# KiCad board atari.kicad_pcb (continued)
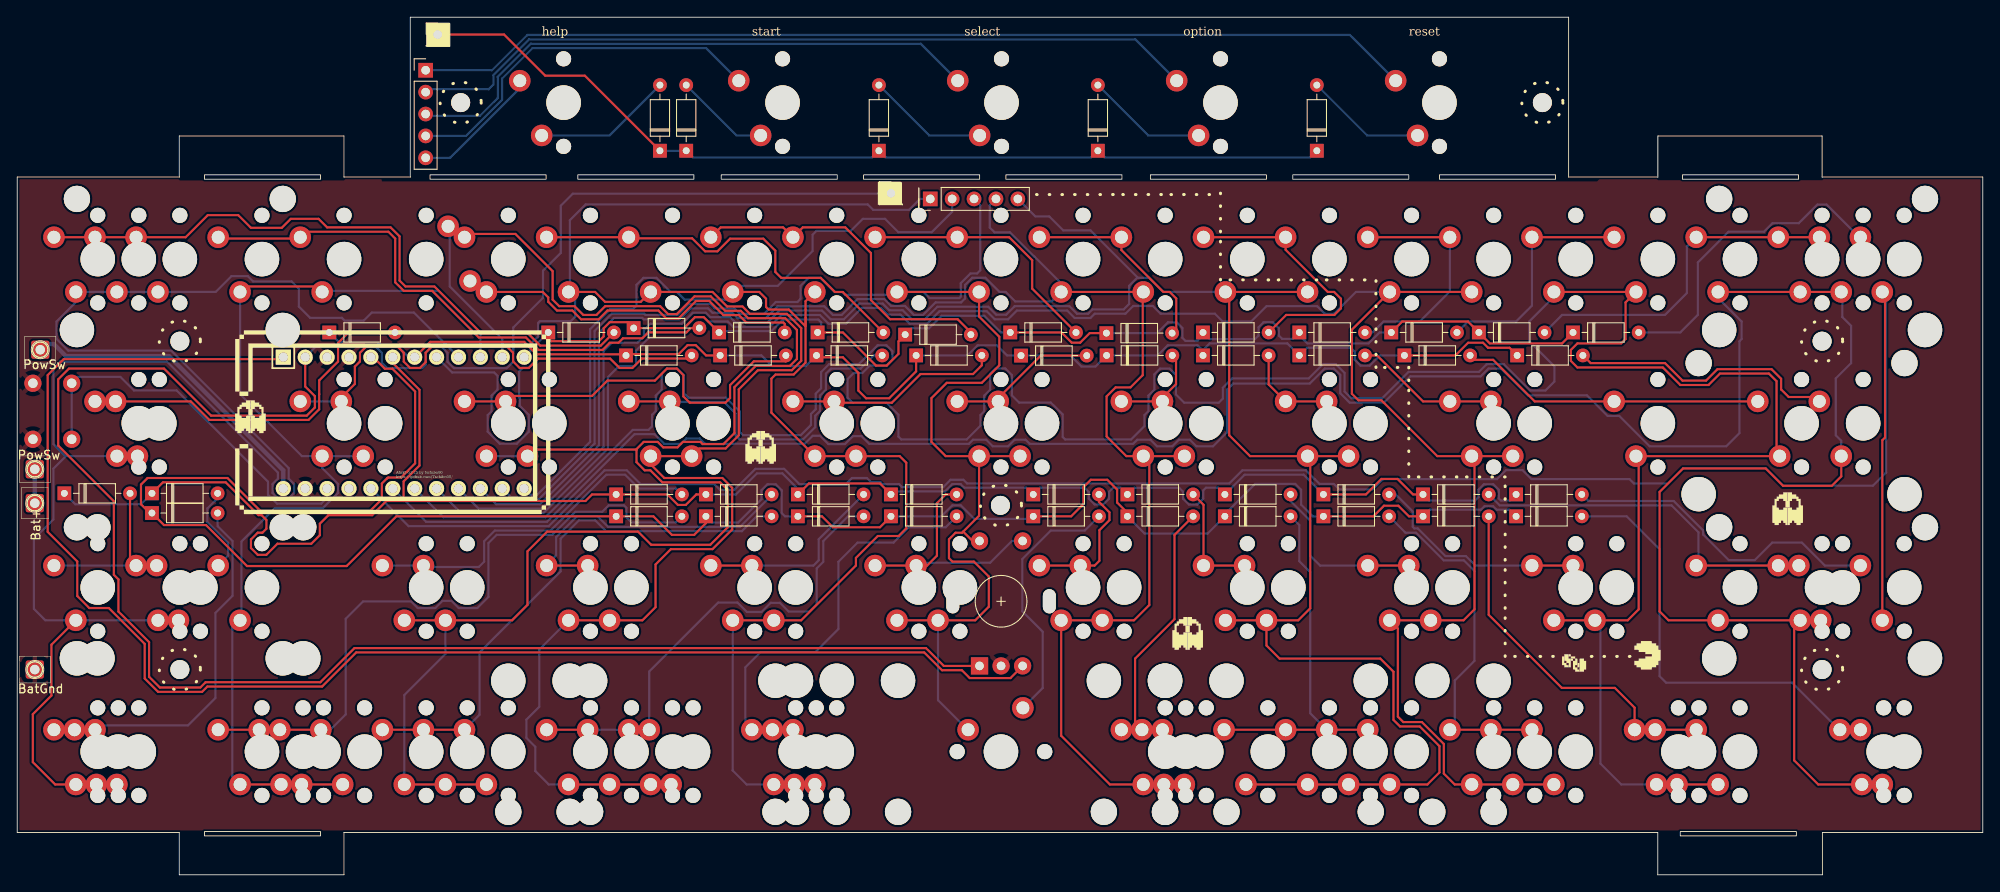
[diagram p0: board, top side]
## Routing (per net, layer and track width the routed paths; a pad name or vN(x,y) marks a point on that pad's centre or on a via; arc(x,y) is an arc through that point)
gnd: length 0.4
  Bottom w0.25: Reset.1 2.24,50.53
BT+: length 3.9
  Bottom w0.5: PowSw#2.1 Bat+.1
c1: length 216.9
  Top w0.25: 16.64,29.21 S3_1a1.1 S3_1b1.1 ; S4_1c1.1 S4_1a1.1 S4_1.1 4.4,10.48 1.81,13.07 1.81,18.63 3.97,20.79 3.97,26.7 S3_1.1 ; S2_1.1 S2_1b1.1 ; 16.39,67.56 S1_1a1.1 ; 6.86,67.56 S1_1.1
  Bottom w0.25: 5.64,48.58 4.19,47.13 4.19,41.24 1.93,38.98 1.93,30.85 3.25,29.53 S3_1.1 S3_1a1.1 ; 5.64,48.58 5.59,48.58 4.19,49.97 4.19,58.76 4.98,59.55 17.35,59.55 30.24,46.66 30.24,45.96 29.61,45.34 29.61,44.3 30.35,43.57 31.38,43.57 32.12,44.3 32.12,45.34 31.49,45.96 31.49,47.19 17.86,60.82 5.92,60.82 4.55,62.19 4.55,64.19 6.8,66.44 S1_1.1 S1_1b1.1 S1_1a1.1 23.02,67.63 24.84,69.46 26.75,69.46 27.36,68.85 31.83,68.85 32.67,68.01 32.67,65.93 33.96,64.63 37.65,64.63 37.98,64.3 40.19,64.3 41.13,65.24 46,65.24 U1.9 51.12,60.06 ; 5.64,48.58 S2_1.1
c2: length 122.1
  Top w0.25: S1_2.1 26.48,68.26 34.74,68.26 S1_2b1.1 ; S4_2.1 S4_2a1.1 S4_2b1.1 S4_2c1.1
  Bottom w0.25: 40.14,48.58 S2_2.1 ; S2_2.1 35.37,47.19 37.21,45.35 37.21,44.31 35.46,42.56 29.9,42.56 26.01,38.67 26.01,29.69 S3_2.1 24.95,28.63 24.95,11.38 S4_2.1 ; S2_2.1 33.02,48.58 25.85,55.75 S1_2.1 ; S1_2b1.1 35.44,67.56 35.44,67.69 35.5,67.75 48.9,67.75 53.72,62.93 U1.10
c3: length 211.1
  Top w0.25: S2_3b1.1 59.95,49.34 71.78,49.34 ; S4_3.1 S4_3a1.1 S4_3b1.1 ; 71.78,49.34 72.67,50.23 74.3,50.23 74.93,49.59 76.58,49.59 77.22,50.23 79.25,50.23 79.5,49.97 81.92,49.97 83.19,51.24 83.19,56.58 85.66,59.05 89.64,59.05 90.44,59.86 90.44,63.22 89.08,64.58 84.79,64.58 83.92,65.44 82.12,65.44 80.45,67.11 78.56,67.11 76.51,65.06 75.49,65.06 74.58,65.98 68.2,65.98 67.19,64.96 65.66,64.96 64.65,65.98 62.87,65.98 62.11,66.74 62.11,70.04 57.79,74.36 52.26,74.36 S1_3b1.2 50.61,75.25 S1_3.1 ; 71.78,49.34 71.83,49.29 71.83,47.88 72.78,46.93 73.44,46.93 74.84,45.53 81.53,45.53 82.43,44.64 82.43,40.32 80.39,38.29 73.54,38.29 72.01,39.81 61.47,39.81 59.19,37.53 59.19,31.31 57.41,29.53 S3_3b1.1 S3_3.1
  Bottom w0.25: U1.11 56.26,62.17 50.17,68.26 50.17,75.06 S1_3.1 ; S2_3.1 S2_3b1.1 ; S4_3.1 44.9,20.85 49.66,25.62 S3_3b1.1
c4: length 202.7
  Top w0.25: S4_4c1.1 S4_4d1.1 S4_4a1.1 S4_4.1 ; S3_4.1 S3_4b1.1 72.52,29.53 74.04,31.05 74.04,36 75.82,37.78 80.65,37.78 82.93,40.07 82.93,44.89 81.79,46.04 75.06,46.04 73.47,47.62 S2_4.1 S2_4b1.1 79.12,49.47 82.17,49.47 83.7,50.99 83.7,56.32 85.91,58.54 89.85,58.54 90.94,59.64 90.94,63.43 89.28,65.09 84.98,65.09 84.13,65.94 82.34,65.94 80.66,67.63 S1_4b1.1 72.32,66.48 68.18,66.48 67.03,67.63 S1_4.1
  Bottom w0.25: U1.12 59.55,60.8 59.55,61.59 60.42,62.46 60.42,64.04 60.62,64.23 64.2,64.23 64.73,64.76 64.73,66.84 S1_4.1 64.1,67.78 64.1,75.94 65.94,77.79 98.66,77.79 99.29,77.15 103.45,77.15 104.72,78.42 J1.1 105.28,77.79 ; S4_4.1 61.65,10.48 60.1,12.03 60.1,14.85 59.06,15.89 59.06,18 60.56,19.49 60.56,26.14 S3_4.1
c5: length 187.5
  Top w0.25: 92.97,48.13 S2_5.1 ; S2_5.1 S2_5b1.1 102.36,48.58 103.13,47.82 103.13,40.2 102.24,39.31 99.83,39.31 97.28,36.77 97.28,35.88 90.94,29.53 S3_5b1.1 S3_5.1 82.93,29.46 ; S2_5.1 87.48,53.62 87.48,57.56 87.96,58.04 90.06,58.04 91.44,59.43 91.44,66.55 S1_5b1.1 ; S4_5.1 S4_5a1.1 S4_5b1.1 ; 91.44,64.66 91.44,63.64 89.5,65.59 87.16,65.59 86.86,65.89 86.86,66.84 86.08,67.63 S1_5.1 83.57,67.06
  Bottom w0.25: U1.13 59.55,44.07 60.29,44.07 66.46,50.24 66.46,63.31 68.78,65.63 71.42,65.63 71.83,66.04 71.83,68.45 72.64,69.26 74.15,69.26 75.78,67.63 76.53,67.63 77.42,66.73 82.1,66.73 S1_5.1 83.7,68.33 88.22,68.33 92.26,72.37 92.26,74.27 92.7,74.71 96.69,74.71 98.09,76.11 100.66,76.11 102.21,74.56 106.08,74.56 108.45,76.93 J1.2 ; S4_5.1 84.61,10.48 82.98,12.1 83,12.12 S3_5.1
c6: length 184.8
  Top w0.25: 109.73,39.81 109.6,39.69 108.84,39.69 108.08,38.93 108.08,36.74 108.49,36.33 110.98,36.33 112.7,34.61 112.7,31.1 111.13,29.53 S3_6b1.1 S3_6.1 ; 109.73,39.81 111.57,41.66 S2_6.1 ; 109.73,39.81 110.81,38.73 SW1.S2 ; S2_6.1 S2_6b1.1 ; S2_6.1 112.02,48.13 ; S2_6.1 107.7,48.58 106.05,50.23 106.05,55.31 107.83,57.09 111.89,57.09 113.92,59.12 113.92,62.42 111.57,64.77 S1_6b1.1 S1_6.1 102.62,67.06
  Bottom w0.25: S3_6b1.1 106.81,20.26 110.24,16.83 S4_6.1 ; U1.14 57.52,43.57 60.5,43.57 66.97,50.04 66.97,63.1 68.98,65.11 72.72,65.11 72.87,64.96 76.58,64.96 77.85,66.23 80.39,66.23 80.9,65.72 83.19,65.72 83.83,65.08 86.61,65.08 87.99,66.46 90.5,66.46 90.86,66.82 90.86,68.33 91.79,69.26 93.21,69.26 94.84,67.63 95.69,67.63 96.01,67.3 101.72,67.3 S1_6.1 105.12,67.63 105.83,66.91 109.28,66.91 109.45,67.08 109.45,68.65 110.57,69.77 111.34,69.77 111.71,70.14 111.71,77.7 J1.3
c7: length 206.8
  Top w0.25: S2_7.1 131.32,47.88 131.32,31.31 129.54,29.53 S3_7b1.1 S3_7.1 121.1,16.13 126.75,10.48 S4_7b1.1 S4_7a1.1 135.38,10.48 ; S2_7.1 128.65,48.58 126.37,50.86 126.37,55.51 127.41,56.55 129.14,56.55 130.56,57.98 130.56,67.56 S1_7b1.1 S1_7.1 121.41,67.31 ; S2_7.1 135.38,48.58
  Bottom w0.25: U1.15 55.55,42.99 60.63,42.99 67.48,49.84 67.48,62.88 69.21,64.61 72.5,64.61 72.66,64.45 76.84,64.45 78.11,65.72 80.14,65.72 80.65,65.21 82.93,65.21 83.57,64.58 86.82,64.58 88.2,65.96 93.62,65.96 94.62,64.96 95.63,64.96 97.47,66.8 100.58,66.8 101.37,66 102.97,66 104.02,64.96 105.07,64.96 106.52,66.41 109.49,66.41 109.95,66.87 109.95,68.44 110.78,69.27 112.3,69.27 113.94,67.63 114.66,67.63 115.76,66.53 120,66.53 S1_7.1 121.1,68.62 118,71.72 117.97,71.72 115.15,74.54 113.37,74.54 112.81,75.1 112.81,77.7 J1.4 114.14,78.42
c8: length 259.2
  Top w0.25: S4_8.1 159.36,10.64 ; S4_8.1 S4_8a1.1 S4_8b1.1 S4_8c1.1 ; S4_8.1 163.58,10.48 164.98,11.87 164.98,14.92 162.69,17.21 160.4,17.21 159.64,17.97 159.64,23.56 158.12,25.08 146.43,25.08 144.91,26.61 S3_8b1.1 ; S3_8b1.1 148.59,29.53 149.99,30.92 149.99,48.26 S2_8.1 ; S3_8b1.1 S3_8.1 ; S1_8b1.1 S1_8.1 140.59,67.18 140.59,50.99 143,48.58 S2_8.1 ; S2_8.1 S2_8b1.1
  Bottom w0.25: 130,69.27 124.5,74.77 121.33,74.77 119.71,76.39 118.1,76.39 J1.5 ; 130,69.27 131.31,69.27 132.96,67.63 S1_8.1 ; 130,69.27 129.91,69.27 128.98,68.34 128.98,66.23 128.35,65.6 124.72,65.6 124.22,65.1 122.92,65.1 122.05,65.98 115.7,65.98 114.72,64.99 113.56,64.99 112.64,65.91 106.75,65.91 105.29,64.45 103.76,64.45 102.71,65.5 101.17,65.5 100.39,66.28 97.72,66.28 95.89,64.45 94.36,64.45 93.35,65.46 88.41,65.46 87.03,64.08 83.3,64.08 82.68,64.71 80.39,64.71 79.89,65.21 78.36,65.21 77.09,63.94 73.45,63.94 72.7,63.19 72.7,62.48 71.95,61.73 68.97,61.73 68.01,60.77 68.01,49.66 60.84,42.49 53.51,42.49 U1.16
c9: length 244.1
  Top w0.25: S1_9.1 S1_9b1.1 ; S1_9.1 159.51,67.31 ; S1_9.1 154.82,63.25 154.82,55.82 155.58,55.05 158.25,55.05 164.72,48.58 S2_9.1 ; S2_9.1 S2_9b1.1 ; S2_9.1 169.04,48.26 169.04,30.8 167.77,29.53 S3_9b1.1 S3_9.1 160.15,28.58 160.15,18.35 160.78,17.72 162.94,17.72 165.48,15.18 165.48,11.74 166.75,10.48 S4_9b1.1 S4_9a1.1 S4_9.1
  Bottom w0.25: S1_9.1 155.28,67.63 152.75,65.09 151.68,65.09 150.8,65.98 144.91,65.98 143.13,64.2 139.83,64.2 138.93,65.1 132.63,65.1 131.73,66 129.46,66 128.56,65.1 124.99,65.1 124.49,64.6 122.66,64.6 121.8,65.47 115.95,65.47 114.94,64.45 113.39,64.45 112.46,65.39 106.98,65.39 105.54,63.94 103.51,63.94 102.45,65 100.96,65 100.19,65.77 97.97,65.77 96.14,63.94 94.11,63.94 93.1,64.95 88.64,64.95 87.27,63.58 83.04,63.58 82.43,64.2 80.14,64.2 79.63,64.71 78.62,64.71 77.35,63.44 73.65,63.44 73.27,63.06 73.27,62.32 71.79,60.83 71.79,59.22 71.6,59.03 69.81,59.03 68.52,57.74 68.52,49.45 61.06,41.99 51.47,41.99 U1.17
C10: length 353.9
  Top w0.25: S4_10.1 S4_10a1.1 S4_10b1.1 ; S3_10.1 S3_10b1.1 186.82,29.53 188.09,30.8 188.09,48.26 S2_10.1 S2_10b1.1 204.08,48.94 204.08,57.27 203.19,58.16 197.52,58.16 196.19,56.83 192.92,56.83 190.88,58.86 180.98,58.86 180.22,59.63 180.22,60.9 180.98,61.66 186.06,61.66 186.57,62.17 186.57,66.42 S1_10b1.1 S1_10.1 178.69,67.18
  Bottom w0.25: U1.18 49.43,41.49 61.27,41.49 71.4,51.62 73.23,51.62 73.64,52.03 73.64,53.37 74.07,53.8 74.07,55.6 74.76,56.29 74.76,58.11 75.37,58.72 76.56,58.72 77.34,57.94 77.34,55.87 77.85,55.36 82.2,55.36 83.83,53.73 83.83,51.36 84.18,51.01 90.89,51.01 92.07,52.19 92.07,53.47 92.62,54.02 92.62,55.83 93.25,56.45 93.25,58.33 94.16,59.24 97.61,59.24 99.81,61.44 100.83,61.44 101.52,60.75 101.52,59.77 100.83,59.08 98.89,59.08 98.03,58.22 97.03,58.22 96.32,57.51 96.32,55.35 96.91,54.76 100.84,54.76 102.22,53.38 102.22,50.84 102.55,50.51 110.14,50.51 111.74,52.11 111.74,53.35 112.17,53.78 112.17,55.6 112.86,56.29 112.86,58.14 113.47,58.75 114.61,58.75 115.38,57.98 115.38,55.62 116.21,54.79 119.89,54.79 121.27,53.41 121.27,50.8 121.56,50.51 129.21,50.51 130.76,52.06 130.76,53.34 131.22,53.8 131.22,55.6 131.91,56.29 131.91,58.07 132.57,58.73 133.68,58.73 134.41,58 134.41,55.73 135.37,54.77 139.37,54.77 139.85,55.25 139.85,56.51 140.93,57.59 149.81,57.59 151.48,59.26 152.94,59.26 153.97,58.23 153.97,56.08 154.76,55.29 158.33,55.29 161.39,58.36 169.56,58.36 170.45,59.24 172.45,59.24 175.5,56.19 177.27,56.19 178.31,57.23 178.31,58.99 175.39,61.91 175.39,64.2 178.25,67.06 S1_10.1 ; S3_10b1.1 183.65,28.89 183.65,12.89 186.06,10.48 S4_10b1.1
c11: length 321.4
  Top w0.25: S1_11b1.1 S1_11a1.1 S1_11.1 ; S3_11a1.1 206.12,28.83 206.12,13.27 208.92,10.48 S4_11a1.1 S4_11.1 ; S3_11a1.1 S3_11.1 191.54,29.53 190.51,30.56 190.51,44.42 193.23,47.14 202.82,47.14 204.83,45.13 210.49,45.13 211.59,46.23 S2_11.1 ; S3_11a1.1 S3_11b1.1
  Bottom w0.25: U1.19 47.42,40.96 61.45,40.96 71.61,51.12 73.92,51.12 75.04,50 76.99,50 77.62,50.63 79.15,50.63 79.77,50.01 91.35,50.01 92.28,50.94 93.12,50.94 94.08,49.97 96.02,49.97 96.93,50.89 97.95,50.89 98.83,50 110.39,50 110.87,50.48 112.4,50.48 113.16,49.72 114.94,49.72 115.7,50.48 116.97,50.48 117.45,50 129.44,50 129.92,50.48 131.45,50.48 132.21,49.72 133.99,49.72 134.75,50.48 136.02,50.48 136.78,49.72 138.71,49.72 140.35,51.36 140.35,56.29 141.06,57 149.93,57 151.67,58.74 152.73,58.74 153.47,58 153.47,55.87 154.56,54.78 158.54,54.78 161.59,57.83 169.76,57.83 170.67,58.74 172.12,58.74 175.23,55.63 182.09,55.63 184.48,53.24 185.84,53.24 189.36,49.72 198.25,49.72 199.77,51.24 199.77,61.91 200.03,62.17 200.03,64.2 197.3,66.93 S1_11.1 ; S1_11b1.1 211.71,67.5 211.71,64.71 212.73,63.69 212.73,59.37 210.95,57.59 210.95,50.99 211.59,50.36 S2_11.1
c12: length 249
  Top w0.25: S1_12.1 216.66,67.31 216.66,50.74 216.35,50.42 S3_12.1
  Bottom w0.25: S1_12.1 216.79,67.18 216.79,46.67 215.27,45.15 204.85,45.15 202.82,47.18 193.27,47.18 191.49,45.4 187.53,45.4 187.02,45.91 175.65,45.91 174.61,46.95 172.7,46.95 171.66,45.91 158.43,45.91 157.24,44.72 153.35,44.72 152.72,45.35 151.11,45.35 151.09,45.33 150.51,45.91 150.5,45.91 149.48,46.93 142.12,46.93 140.6,45.41 110.18,45.41 109.76,45.83 108.26,45.83 107.42,44.99 102.63,44.99 102.3,45.33 100.36,45.33 100.13,45.55 99.04,45.55 98.56,46.04 96.83,46.04 96.12,45.33 90.73,45.33 88.95,47.1 85.63,47.1 83.17,44.65 81.53,44.65 80.86,45.33 72.32,45.33 70.72,46.93 68.13,46.93 61.65,40.45 45.39,40.45 U1.20
r1: length 176.4
  Top w0.25: D1_12.1 179.2,61.66 170.82,61.66 D1_11.1 168.28,64.2 160.66,64.2 D1_10.1 ; 126.37,62.93 126.29,62.85 124.41,62.85 123.3,61.74 122.32,61.74 121.13,62.93 D1_6.1 ; D1_3.1 79.63,64.71 78.62,64.71 77.35,63.44 D1_2.1 70.82,64.12 68.74,64.12 68.02,63.41 68.02,62.47 67.47,61.91 61.95,61.91 61.6,62.27 D1_1.1 ; D1_4.1 95.77,62.93 99.62,59.08 100.86,59.08 102.22,60.44 102.22,61.89 D1_5.1 102.54,62.67
  Bottom w0.25: 126.37,62.93 126.44,62.85 132.23,62.85 133.48,64.1 134.5,64.1 135.16,63.44 135.16,62.3 135.52,61.94 136.89,61.94 137.54,62.6 D1_8.1 138.31,62.16 143.59,62.16 143.99,62.56 143.99,63.53 144.57,64.11 145.65,64.11 146.35,63.41 146.35,62.56 146.73,62.18 147.97,62.18 D1_9.1 148.72,62.59 149.65,61.66 156.76,61.66 158.03,62.93 D1_10.1 ; D1_5.1 103.74,63.41 105.77,63.41 107.22,64.86 112.18,64.86 114.11,62.93 D1_6.1 ; D1_1.1 60.07,61.4 60.07,59.56 59.32,58.81 58.63,58.81 58.21,58.39 58.21,55.39 58.3,55.31 58.3,54.41 59.34,53.37 59.34,51.4 57.95,50.01 55.98,50.01 54.57,51.42 54.57,53.34 55.02,53.79 55.02,55.6 55.71,56.29 55.71,57.9 55.33,58.28 50.44,58.28 48.67,60.06 U1.8 48.64,60 ; D1_3.1 81.56,63.08 87.48,63.08 88.82,64.42 92.92,64.42 93.26,64.09 93.26,63.35 D1_4.1
r2: length 157.2
  Top w0.25: D2_10.1 166.83,60.26 168.3,61.73 170.03,61.73 170.61,61.15 173.1,61.15 D2_11.1 ; U1.7 46.13,60.06 47.91,61.84 58.8,61.84 60.25,60.39 70.49,60.39 D2_2.1 70.76,60.4 76.71,60.4 77.76,61.45 78.71,61.45 79.9,60.26 D2_3.1 ; D2_4.1 92.93,60.04 95.77,60.04 97.57,58.24 97.57,56.18 98.46,55.29 101.15,55.29 104.27,58.41 D2_5.1
  Bottom w0.25: U1.7 45.39,60.06 44.12,61.33 42.26,61.33 41.76,61.83 37.29,61.83 D2_1.1 ; D2_4.1 91.47,59.02 87.57,59.02 86.33,60.26 D2_3.1 ; D2_10.1 158.07,60.26 156.88,59.07 155.83,59.07 155.16,59.74 155.16,60.7 154.71,61.15 149.61,61.15 D2_9.1 147.32,61.66 138.33,61.66 137.54,60.88 D2_8.1 137.54,60.82 136.92,61.44 133.46,61.44 132.28,60.26 D2_7.1 125.08,58.97 123.45,58.97 122.16,60.26 114.81,60.26 113.63,61.44 111.4,61.44 110.22,60.26 D2_5.1
r3: length 219.2
  Top w0.25: U1.6 43.56,59.37 46.66,56.27 46.66,47.49 44.82,45.64 44.82,43.37 ; D3_2.1 16.9,45.54 24.18,45.54 27.98,41.73 28.34,41.73 28.9,41.17 28.9,40.15 28.44,39.69 27.89,39.69 27.11,38.91 27.11,37.91 27.9,37.12 28.89,37.12 30.18,38.41 34.11,38.41 35.1,39.4 35.1,40.73 36.09,41.72 41.17,41.72 42.82,43.37 65.92,43.37 66.68,44.13 D3_3.1 75.42,44.13 76.63,42.91 77.55,42.91 78.77,44.13 D3_4.1 ; D3_10.1 156.45,44.13 158.25,45.93 160.11,45.93 161.91,44.13 D3_11.1 ; D3_5.1 91.82,45.4 100.08,45.4 D3_6.1
  Bottom w0.25: D3_6.1 101.7,44.49 107.62,44.49 108.47,45.33 109.43,45.33 109.85,44.91 117.08,44.91 D3_7.1 118.64,44.91 123.8,44.91 124.3,44.41 124.3,43.65 124.99,42.96 125.97,42.96 126.65,43.65 126.65,44.45 127.12,44.91 128,44.91 D3_8.1 129.55,44.9 134.78,44.9 135.23,44.46 135.23,43.65 135.92,42.95 136.88,42.95 137.58,43.65 137.58,44.6 137.89,44.91 139.3,44.91 D3_9.1 142.37,46.42 149.22,46.42 D3_10.1 ; D3_5.1 90.55,44.77 88.75,46.57 85.8,46.57 83.37,44.13 D3_4.1 ; D3_2.1 14.35,42.99 6.73,42.99 D3_1.1 ; D3_11.1 163.78,43.42 169.11,43.42 169.51,43.82 169.51,44.69 170.13,45.31 171.22,45.31 171.87,44.67 171.87,43.66 172.11,43.42 173.16,43.42 D3_12.1
r4: length 243.5
  Top w0.25: D4_3.1 79.89,40.8 78.53,39.44 75.94,39.44 73.79,41.59 D4_2.1 43.98,41.59 38.21,35.82 26.65,35.82 21.9,40.58 17.02,40.58 D4_1.1 15.37,41.97 14.35,42.99 14.35,45.28 15.12,46.04 24.39,46.04 28.19,42.23 40.95,42.23 42.29,43.58 42.29,45.4 42.91,46.01 42.94,46.01 43.02,46.09 44.51,46.09 46.15,47.74 46.15,56.07 43.51,58.72 42.64,58.72 41.3,60.06 U1.5 ; D4_9.1 157.31,41.59 158.54,42.82 160.21,42.82 161.44,41.59 D4_10.1 ; D4_4.1 93.35,41.59 94.62,40.32 100.08,40.32 D4_5.1 ; D4_7.1 128.78,42 127.59,43.19 127.59,44.69 126.44,45.83 124.54,45.83 123.68,44.97 123.68,43.01 122.25,41.59 D4_6.1
  Bottom w0.25: D4_4.1 89.06,41.59 88.68,41.97 88.68,44.62 87.99,45.31 87.02,45.31 86.33,44.62 86.33,43.57 83.63,40.87 80.61,40.87 D4_3.1 ; D4_6.1 117.55,41.29 111.02,41.29 109.45,42.86 108.47,42.86 107.2,41.59 D4_5.1 ; D4_7.1 130.78,39.59 138.08,39.59 D4_8.1 140.08,41.85 143.59,45.35 148.25,45.35 148.93,44.67 148.93,42.94 150.28,41.59 D4_9.1 ; D4_10.1 163.84,42.36 169.8,42.36 170.2,42.77 171.19,42.77 171.61,42.35 173.1,42.35 D4_11.1
r5: length 267.2
  Top w0.25: U1.2 33.4,56.65 34.52,55.54 34.52,54.22 33.58,53.28 22.48,53.28 17.02,58.74 6,58.74 4.75,57.49 4.75,49.8 11.2,43.35 11.2,34.81 11.74,34.28 11.74,30.54 15.29,26.99 15.29,22.97 16.54,21.73 21.24,21.73 21.85,22.34 35.16,22.34 39.12,26.3 105.41,26.3 107.48,24.23 SW1.A
  Bottom w0.25: U1.2 34.66,61.31 41.57,61.31 41.67,61.21 41.67,61.2 42.3,60.57 42.3,59.42 42.93,58.79 46.98,58.79 47.37,59.18 47.37,60.6 48.08,61.31 49.16,61.31 49.91,60.57 49.91,59.52 50.65,58.78 56.78,58.78 57.54,59.54 57.54,63.5 60.99,66.95 60.99,70.09 63.05,72.15 63.05,77.63 64.45,79.03 101.3,79.03 J2.1
r6: length 175.6
  Top w0.25: U1.1 30.64,59.83 5.39,59.83 3.53,57.98 3.53,39.79 6.96,36.36 6.96,32.35 8.36,30.95 10.62,30.95 14.79,26.79 14.79,22.78 16.34,21.22 21.44,21.22 22.05,21.84 35.36,21.84 39.33,25.8 105.21,25.8 107.27,23.73 109.58,23.73 110.49,22.82 115.21,22.82 SW1.B
raw: length 36.6
  Bottom w0.5: PowSw.1 3.33,61.58 4.24,61.58 5.64,60.19 17.61,60.19 30.86,46.93 U1.24
reset: length 44.9
  Bottom w0.25: 35.94,44.95 U1.22 35.94,43.75 35.26,43.07 30.13,43.07 29.09,44.11 29.09,45.61 18.49,56.2 13.54,56.2 11.97,57.77 7.05,57.77 Reset.2 Reset.2
s36_1: length 30
  Top w0.25: 99.51,35.88 105.54,35.88 106.68,37.02 106.68,43.12 107.7,44.13 D3_6.2
  Bottom w0.25: 104.27,35.88 104.6,36.21 112.86,36.21 115.38,38.73 SW1.S1
Net-(D1_1-A): length 76.8
  Top w0.25: D1_1.2 67.69,61.4 60.66,61.4 59.21,62.85 53.8,62.85 48.39,68.26 45.04,68.26 44.35,68.95 44.35,74.08 43.31,75.12 35.94,75.12 34.95,76.11 31.73,76.11 30.69,75.07 27.1,75.07 25.63,76.54 22.1,76.54 19.54,73.98 S1_1a1.2 S1_1b1.2 S1_1.2
Net-(D1_2-A): length 66.1
  Top w0.25: S1_2b1.2 32.68,73.83 23.46,73.83 S1_2.2 ; S1_2b1.2 32.83,74.17 ; S1_2b1.2 33.47,74.61 43.06,74.61 43.84,73.83 43.84,68.75 44.83,67.75 48.14,67.75 53.55,62.34 59.01,62.34 60.45,60.9 67.9,60.9 68.74,61.73 69.75,61.73 70.27,62.25 72.51,62.25 73.19,62.94 77.62,62.94 78.12,63.44 D1_2.2
Net-(D1_3-A): length 42.4
  Top w0.25: D1_3.2 89.03,63.92 88.87,64.08 84.58,64.08 83.72,64.94 81.92,64.94 80.27,66.58 78.74,66.58 76.71,64.55 75.29,64.55 74.37,65.47 68.46,65.47 67.44,64.45 65.41,64.45 64.39,65.47 62.61,65.47 61.6,66.48 61.6,66.99 60.96,67.63 S1_3b1.1 53.15,68.9 S1_3.2
Net-(D1_4-A): length 46.3
  Top w0.25: D1_4.2 100.46,62.93 95.77,67.62 94.84,67.62 93.2,69.26 88.62,69.26 87.94,69.94 87.94,72.41 86.54,73.81 82.69,73.81 81.22,72.34 79.79,72.34 78.29,73.85 71.06,73.85 S1_4b1.2 S1_4.2
Net-(D1_5-A): length 40.1
  Top w0.25: D1_5.2 110.62,62.93 109.09,64.46 101.25,64.46 99.03,66.68 99.03,72.14 96.05,75.12 91.13,75.12 S1_5b1.2 88.84,75.12 81.6,75.12 S1_5.2
Net-(D1_6-A): length 29.8
  Top w0.25: D1_6.2 117.73,68.01 117.73,71.31 115.06,73.98 S1_6b1.2 S1_6.2
Net-(D1_7-A): length 23.9
  Top w0.25: 133.99,62.93 134.04,62.93 134.45,63.33 134.45,66.87 133.68,67.63 132.95,67.63 128.08,72.49 S1_7b1.2 S1_7.2
Net-(D1_8-A): length 30.4
  Top w0.25: D1_8.2 147.2,64.96 152.78,64.96 153.55,65.72 153.55,66.84 152.76,67.63 152.03,67.63 147.13,72.52 S1_8b1.2 S1_8.2
Net-(D1_9-A): length 27.6
  Top w0.25: S1_9.2 S1_9b1.2
  Bottom w0.25: D1_9.2 157.23,62.93 158.5,64.2 162.69,64.2 166.18,67.69 S1_9b1.2
Net-(D1_10-A): length 27.5
  Top w0.25: S1_10.2 S1_10b1.2
  Bottom w0.25: D1_10.2 168.28,64.2 173.87,64.2 175.71,66.04 S1_10.2
Net-(D1_11-A): length 39.6
  Top w0.25: S1_11.2 S1_11a1.2 S1_11b1.2
  Bottom w0.25: S1_11.2 193.68,72.9 193.68,67.5 191.14,64.96 179.2,64.96 D1_11.2
Net-(D1_12-A): length 37
  Bottom w0.25: S1_12.2 213.67,73.98 209.88,77.77 208.82,77.77 206.66,75.6 203.61,75.6 202.62,74.61 198.5,74.61 194.95,71.06 194.95,64.96 192.92,62.93 D1_12.2
Net-(D2_1-A): length 43.1
  Top w0.25: D2_1.2 38.43,62.93 37.21,61.71 37.21,59.55 35.03,57.37 35.03,55.76 35.02,55.75 35.02,54.01 33.79,52.78 22.27,52.78 20.12,54.93 S2_1b1.2 S2_1.2
Net-(D2_2-A): length 56.6
  Top w0.25: D2_2.2 77.88,59.9 72.45,59.9 71.35,58.81 69.87,58.81 68.78,59.89 60.41,59.89 59.33,58.81 58.28,58.81 57.52,59.57 57.52,60.58 56.76,61.33 48.14,61.33 47.37,60.57 47.37,59.47 46.71,58.81 45.57,58.81 44.83,59.54 44.83,60.57 44.07,61.33 40.52,61.33 39.75,60.57 39.75,59.56 39.16,58.97 39.16,56.95 37.59,55.38 S2_2b1.2
  Bottom w0.25: S2_2.2 S2_2b1.2
Net-(D2_3-A): length 45.5
  Top w0.25: S2_3.2 S2_3b1.2 57.28,55.56 66.68,55.56 68.46,57.34 73.97,57.34 75.36,58.74 76.52,58.74 77.27,57.98 77.27,55.51 78.01,54.78 82.15,54.78 82.69,55.32 82.69,56.82 85.44,59.58 89.16,59.58 89.16,60.26
Net-(D2_4-A): length 39.7
  Top w0.25: S2_4.2 S2_4b1.2
  Bottom w0.25: S2_4b1.2 75.76,54.86 81.99,54.86 83.33,53.52 83.33,50.99 83.81,50.51 91.14,50.51 92.57,51.94 92.57,53.25 93.12,53.8 93.12,55.6 93.81,56.29 93.81,58.15 94.39,58.74 97.83,58.74 99.36,60.26 D2_4.2
Net-(D2_5-A): length 24.9
  Top w0.25: S2_5.2 S2_5b1.2 94.9,54.77 101.45,54.77 104.78,58.1 110.87,58.1 111.89,59.12 D2_5.2
Net-(D2_6-A): length 17.5
  Top w0.25: S2_6.2 S2_6b1.2 113.79,55.31 118.73,60.24 D2_6.2 124.04,60.26
Net-(D2_7-A): length 10.9
  Top w0.25: S2_7.2 S2_7b1.2 132.84,55.36 134.42,56.93 134.42,59.83 D2_7.2
Net-(D2_8-A): length 10.9
  Top w0.25: D2_8.2 145.16,56.9 S2_8.2 151.9,54.93
Net-(D2_9-A): length 17.4
  Top w0.25: S2_9b1.2 S2_9.2 163.07,54.93 157.74,60.26 D2_9.2
  Bottom w0.25: 156.34,59.63 D2_9.2
Net-(D2_10-A): length 36.5
  Top w0.25: D2_10.2 169.04,59.75 171.2,59.75 176.03,54.93 S2_10.2 S2_10b1.2
  Bottom w0.25: S2_10.2 184.6,55.56
Net-(D2_11-A): length 31.5
  Top w0.25: S2_11.2 208.54,55.44 205.49,55.44 204.61,56.31 204.61,57.55 203.5,58.66 197.22,58.66 195.9,57.34 193.17,57.34 191.14,59.37 182.52,59.37 181.63,60.26 D2_11.2
Net-(D3_1-A): length 20.6
  Top w0.25: 16.16,35.88 13.78,35.88 13.08,36.58 D3_1.2
  Bottom w0.25: 13.78,35.88 4.26,35.88
Net-(D3_2-A): length 10.4
  Bottom w0.25: D3_2.2 23.24,43.7 22.05,42.51 22.05,40.93 24.46,38.52 24.46,37.03 23.31,35.88
Net-(D3_3-A): length 41.6
  Bottom w0.25: 42.36,35.88 47.12,35.88 47.28,35.71 53.54,35.71 54.16,36.33 54.16,38.7 55.4,39.94 61.85,39.94 68.33,46.42 70.51,46.42 72.11,44.82 76.41,44.82 D3_3.2
Net-(D3_4-A): length 36.7
  Top w0.25: 61.41,35.88 66.17,35.88
  Bottom w0.25: D3_4.2 87.51,44.04 83.84,40.37 68.53,40.37 67.29,41.62 64.95,41.62 62.51,39.18 62.51,37.07 61.41,35.97 61.41,35.88
Net-(D3_5-A): length 22.6
  Top w0.25: 80.46,35.88 85.22,35.88
  Bottom w0.25: 85.22,35.88 92.36,35.88 92.97,36.49 92.97,38.93 D3_5.2
Net-(D3_7-A): length 15.9
  Top w0.25: D3_7.2 125.48,43.27 126.7,42.05 126.7,41.15 125.53,39.98 125.53,36.44 124.97,35.88 118.56,35.88
Net-(D3_8-A): length 13.5
  Top w0.25: 142.37,35.88 137.61,35.88 137.61,42.93 D3_8.2
Net-(D3_9-A): length 20
  Top w0.25: 156.66,35.88 161.42,35.88
  Bottom w0.25: 156.66,35.88 151.13,35.88 149.99,37.02 149.99,41.07 147.7,43.36 D3_9.2
Net-(D3_10-A): length 25.8
  Top w0.25: 175.71,35.88 180.47,35.88
  Bottom w0.25: 175.71,35.88 169.14,35.88 168.04,36.98 165.67,36.98 162.47,40.19 162.06,40.19 161.88,40.37 161.88,42.15 159.9,44.13 D3_10.2
Net-(D3_11-A): length 42
  Top w0.25: 194.76,35.88 206.66,35.88
  Bottom w0.25: D3_11.2 171.96,42.86 191.9,42.86 195.02,39.74 195.02,36.14 194.76,35.88
Net-(D3_12-A): length 37.7
  Bottom w0.25: D3_12.2 182.25,43.37 192.15,43.37 195.56,39.97 195.56,39.48 198.53,36.51 201.55,36.51 203.58,38.54 207.01,38.54 209.68,35.88 213.81,35.88
Net-(D4_1-A): length 43.3
  Top w0.25: S4_1.2 S4_1a1.2 S4_1c1.2
  Bottom w0.25: S4_1c1.2 9.53,17.34 19.81,17.34 22.99,20.51 22.99,30.39 24.97,32.37 24.97,38.72 23.24,40.45 D4_1.2
Net-(D4_2-A): length 77.8
  Top w0.25: S4_2c1.2 S4_2b1.2 S4_2a1.2 S4_2.2
  Bottom w0.25: D4_2.2 76.38,40.88 71.25,40.88 70.67,41.47 70.67,42.58 70.39,42.86 68.61,42.86 67.87,42.13 64.75,42.13 62.06,39.44 55.61,39.44 54.66,38.49 54.66,32.25 53.37,30.95 51.21,30.95 50.37,31.79 49.33,31.79 48.49,30.95 46.46,30.95 45.7,31.71 40.11,31.71 38.1,29.71 38.1,18.61 36.33,16.83 S4_2c1.2
Net-(D4_3-A): length 62.9
  Top w0.25: S4_3b1.2 S4_3a1.2 S4_3.2
  Bottom w0.25: D4_3.2 85.78,41.59 84.05,39.87 68.3,39.87 67.05,41.12 65.16,41.12 63.03,38.99 63.03,35.2 53.62,25.79 53.62,18.57 S4_3b1.2
Net-(D4_4-A): length 56.6
  Top w0.25: S4_4c1.2 S4_4d1.2 ; S4_4.2 S4_4a1.2
  Bottom w0.25: S4_4d1.2 S4_4a1.2 ; S4_4c1.2 73.31,23.59 81.31,31.58 83.54,31.58 84.64,30.49 86.34,30.49 87.4,31.56 88.47,31.56 89.49,30.54 91.9,30.54 92.74,31.38 92.74,35.55 93.5,36.31 93.5,38.72 96.37,41.59 D4_4.2
Net-(D4_5-A): length 48.7
  Top w0.25: S4_5.2 S4_5a1.2 S4_5b1.2
  Bottom w0.25: D4_5.2 107.7,40.32 103.43,40.32 101.65,38.54 97.48,38.54 95.25,36.31 95.25,28.51 92.59,25.84 86.24,25.84 84.46,24.07 84.46,17.59 S4_5.2
Net-(D4_6-A): length 30.2
  Bottom w0.25: 116.59,19.43 S4_6.2 118.95,21.67 118.95,28.21 116.59,30.57 116.59,36.64 119.89,39.94 123.83,39.94 D4_6.2
Net-(D4_7-A): length 32.6
  Top w0.25: S4_7a1.2 129.67,17.62 129.67,25.08 134.24,29.65 134.24,39.43 D4_7.2 ; S4_7a1.2 S4_7b1.2 ; S4_7a1.2 S4_7.2
Net-(D4_8-A): length 43.2
  Top w0.25: S4_8.2 S4_8b1.2 S4_8c1.2
  Bottom w0.25: D4_8.2 148.72,40.58 148.72,36.39 149.99,35.12 149.99,18.73 151.9,16.83
Net-(D4_9-A): length 41.7
  Top w0.25: S4_9b1.2 S4_9a1.2 S4_9.2
  Bottom w0.25: D4_9.2 161.04,39.69 162.26,39.69 165.46,36.48 167.81,36.48 169.04,35.25 169.04,24.83 166.75,22.54 166.75,17.4 S4_9b1.2
Net-(D4_10-A): length 43.4
  Top w0.25: D4_10.2 170.69,30.16 179.17,21.68 185.32,21.68 187.61,19.39 S4_10b1.2 S4_10.2
  Bottom w0.25: 189.36,17.46 190,16.83
Net-(D4_11-A): length 51.2
  Top w0.25: S4_11a1.2 S4_11.2
  Bottom w0.25: D4_11.2 186.69,41.59 190.5,37.78 190.5,23.05 191.26,22.29 205.87,22.29 211.33,16.83 S4_11a1.2
Net-(D5_1-A): length 16.1
  Bottom w0.25: S5_1help1.1 68.71,85.79 D5_1.2
Net-(D5_1-K): length 109.5
  Top w0.25: J4.1 56.47,97.5 61.24,92.72 65.84,92.72 D5_1.1
  Bottom w0.25: D5_1.1 D5_2.1 78.36,83.25 99.19,83.25 D5_3.1 100.71,83.25 124.59,83.25 D5_4.1 126.11,83.25 149.99,83.25 D5_5.1
Net-(D5_2-A): length 11.1
  Bottom w0.25: D5_2.2 83.44,85.79 S5_2start1.1
Net-(D5_3-A): length 14.1
  Bottom w0.25: S5_3select1.1 105.79,85.79 D5_3.2
Net-(D5_4-A): length 14.1
  Bottom w0.25: S5_4option1.1 131.19,85.79 D5_4.2
Net-(D5_5-A): length 14.1
  Bottom w0.25: S5_5reset1.1 156.59,85.79 D5_5.2
Net-(J3-Pin_1): length 116.4
  Bottom w0.25: J3.1 55.07,93.35 59.17,97.45 154.59,97.45 S5_5reset1.2
Net-(J3-Pin_2): length 92.3
  Bottom w0.25: J3.2 47.71,91.15 54.68,91.15 55.24,91.71 55.24,92.81 59.37,96.94 129.7,96.94 S5_4option1.2
Net-(J3-Pin_3): length 68.5
  Bottom w0.25: S5_3select1.2 104.8,96.43 59.57,96.43 55.74,92.6 55.74,90.13 53.68,88.07 47.57,88.07 J3.3
Net-(J3-Pin_4): length 43.6
  Bottom w0.25: S5_2start1.2 79.91,95.93 59.79,95.93 56.24,92.38 56.24,89.92 52.05,85.73 J3.4
Net-(J3-Pin_5): length 15.1
  Bottom w0.25: S5_1help1.2 58.3,91.27 50.21,83.19 J3.5

## Copper pours and planes (outline as drawn; the poured copper is in the pictures)
gnd on Top, Bottom: 0.49,101.03 234.32,101.03 235.08,88.58 235.08,-5.14 -3.68,-5.14 -4.7,-4.13 -4.7,88.84 -3.93,96.2 -4.19,101.28

## Text on the board
B.Silkscreen: IATIRIRITIRATIRIRAITRITIITTIRI / RTIARITIITIRIRITIRATIRIITIRATT / TIARTIITIIRTIITRIARTIRTIIARTIR / ATIRRIATIRIRTAITIRITRAIRTIARIT / AITIREADY ITIRITARIIRARARRAIRT / ITITIIRRRATIRRIRIARIITAAITIARI / TIRIATIRIRITIRATIRIRAITRIATIIT / TAIIRIIRTIARTIIRTIARTIITIIRTII / ITARTIAITATARITRTARITARTARIATI / IIARIRITIITTIRIARITIRAITIRTITR / ATIITIARIIRTIARITIITIRATIARITI / IRIRITIRATIRIRAITRIATIITRRITIA
User.Eco1: BM40 PCB dimension: 228x76 / BM40 case cutout: 230x78 / space below board (to top standoff): 35 / M2 screws / Stabilizer bigger hole is on the wire's side, added the notch. Smaller hole has the screw, which extends 2mm from center / dimension of 12x4 MX is 228.6x76.2
F.Silkscreen: AtaKi (c)'25 by tschibo00 / https://github.com/Tschibo00/ | help | start | select | option | reset
